# Altium PCB PCB2.PcbDoc
Units mm, origin at the board's own origin, x right, y up, seen from the top; angles counter-clockwise.
Board outline 103.6 x 70 mm, 2 copper layers (Top Layer, Bottom Layer); 23 components, 23 nets, 126 pads, 1482 vias.
Unrouted connection lines stored in the file: 7.
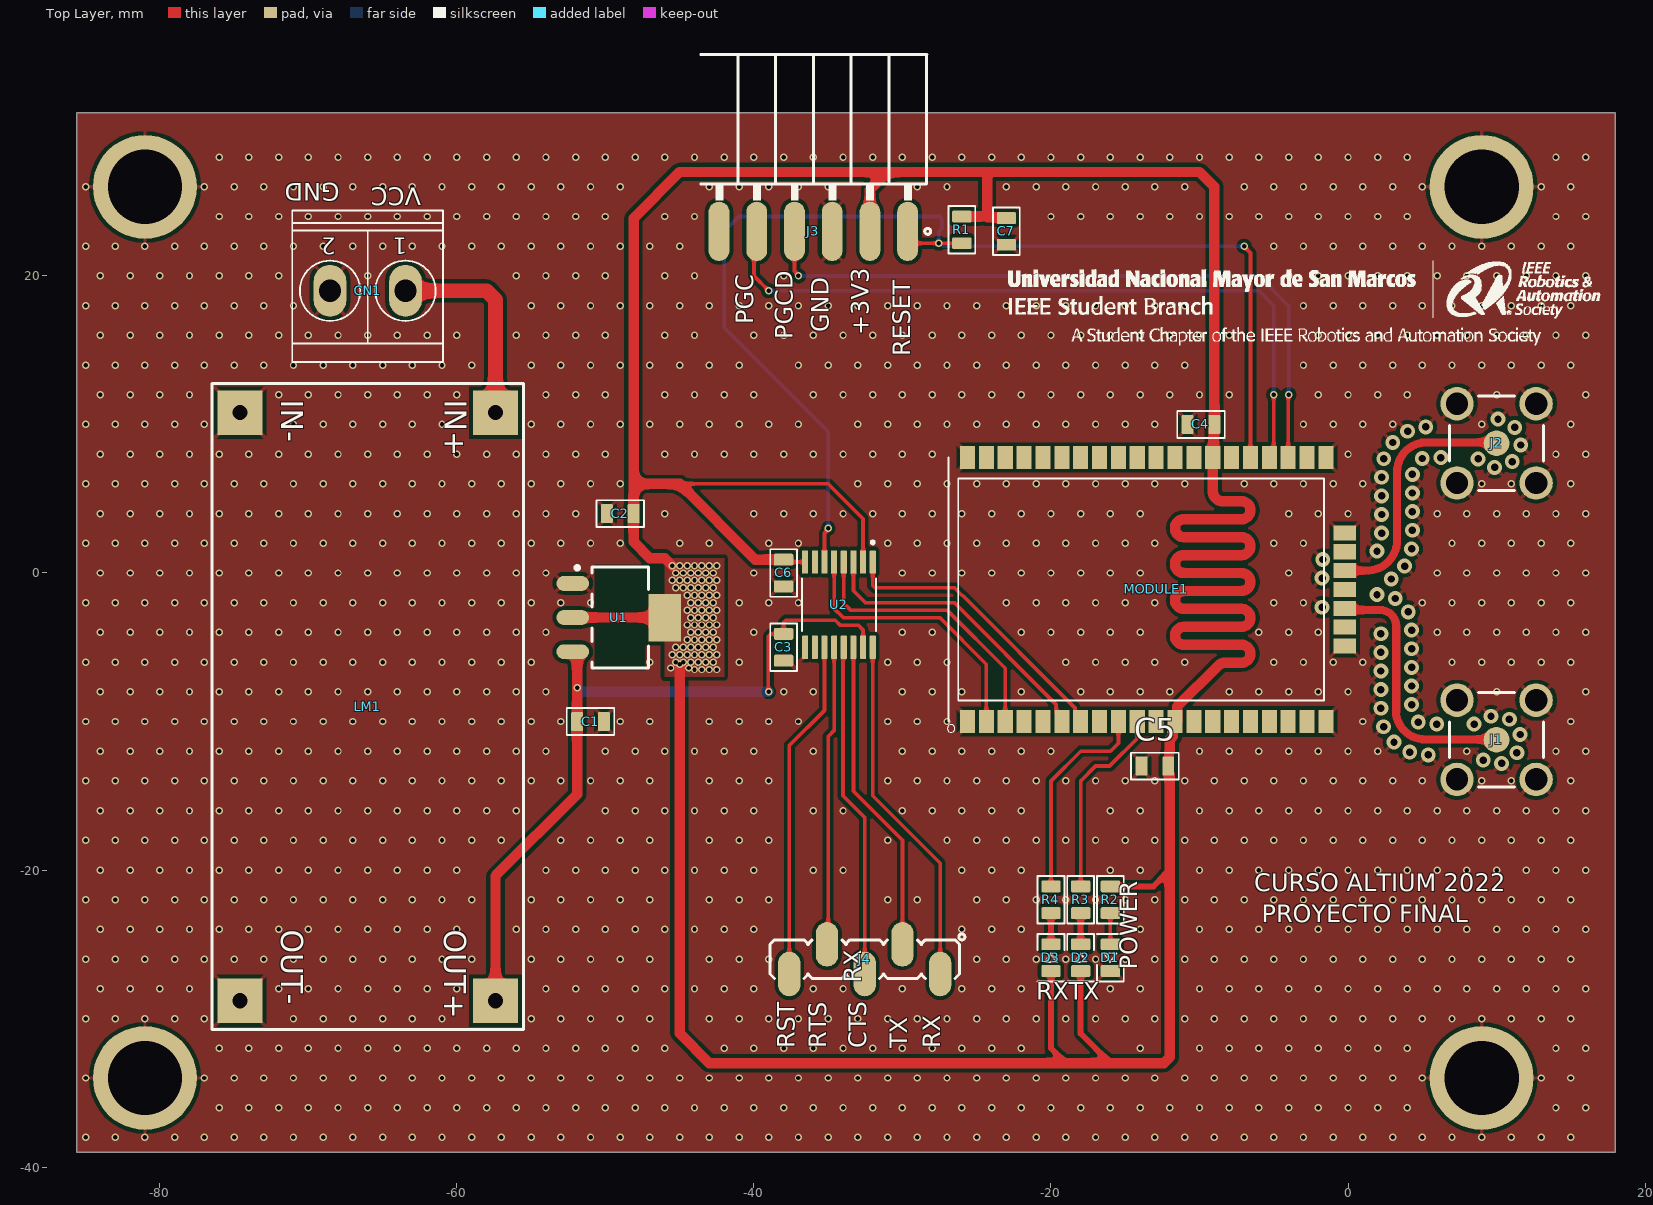
[diagram p0: Top Layer view]
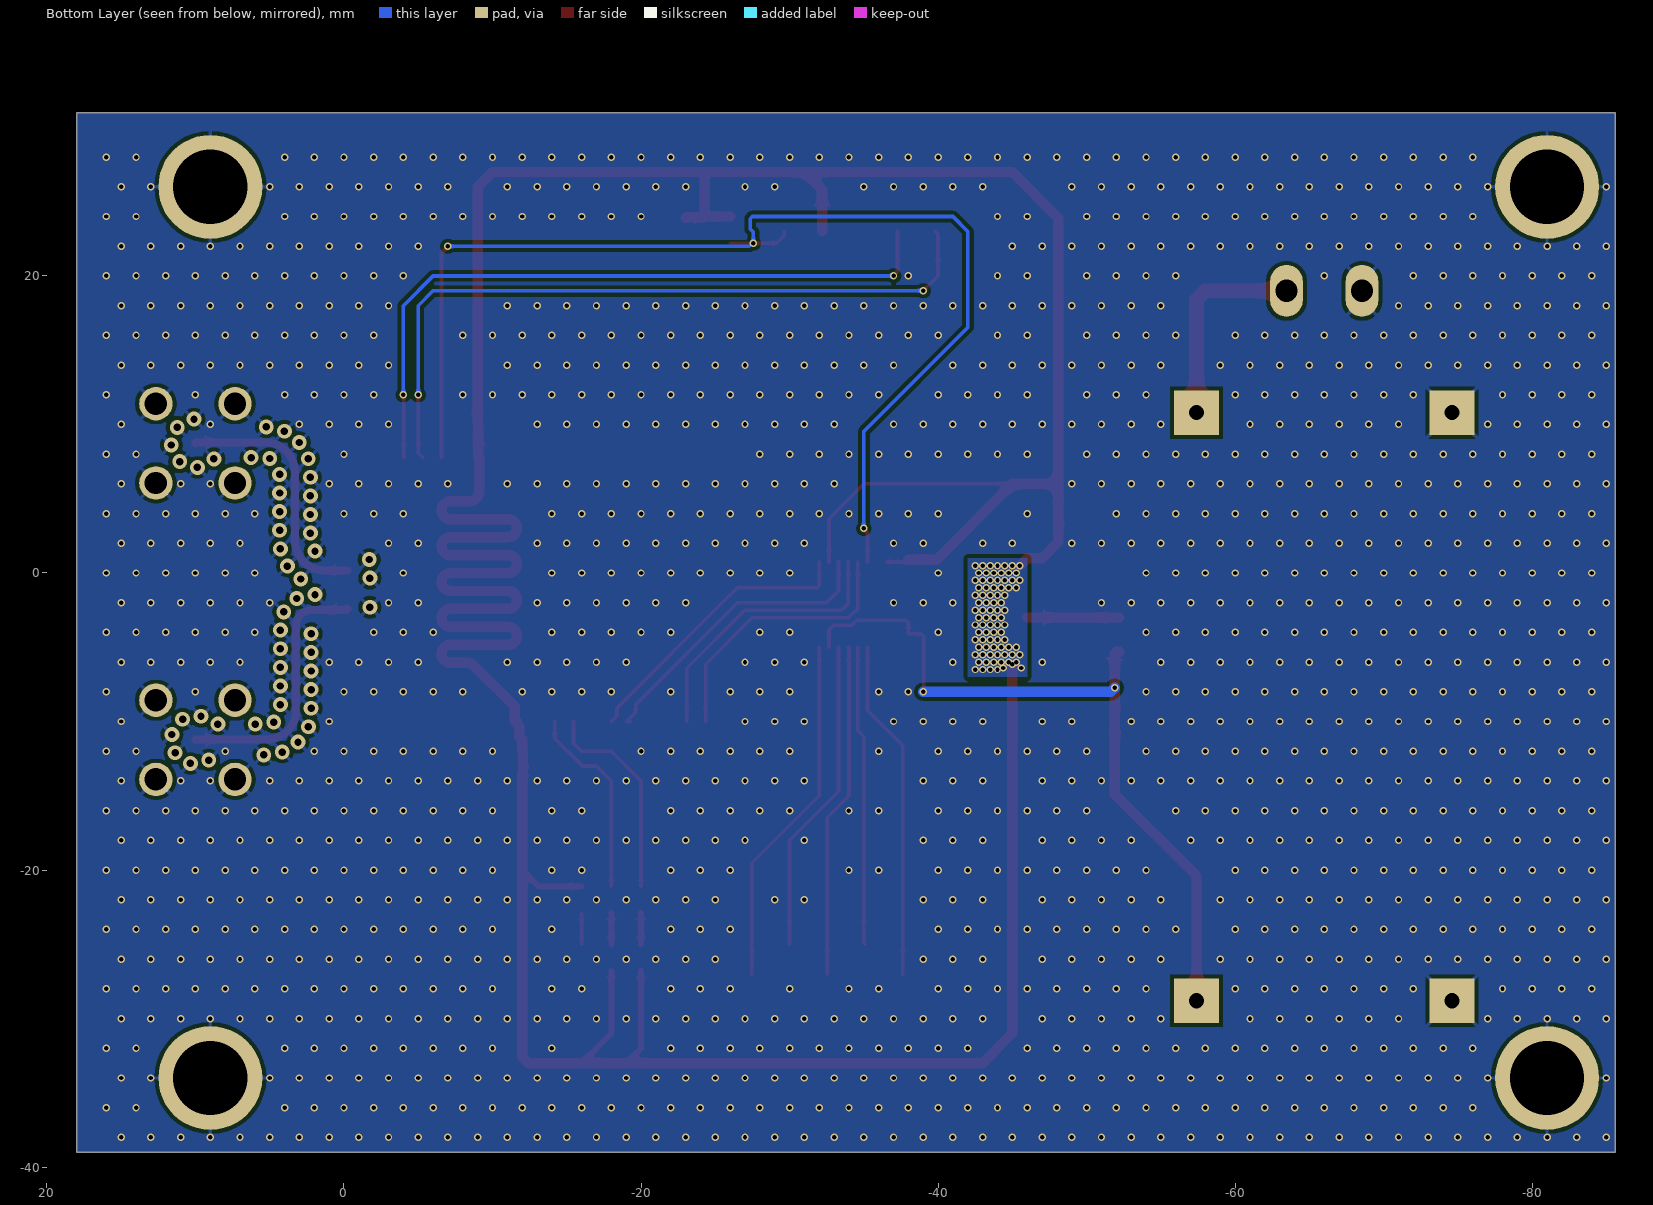
[diagram p1: Bottom Layer view, seen from below]

## Layer stack, top to bottom
Top Solder: solder mask 0.0102, Solder Resist, Dk 3.5
Top Layer: signal copper 0.03
Dielectric 1: dielectric 0.32, FR-4, Dk 4.8
Bottom Layer: signal copper 0.03
Bottom Solder: solder mask 0.0102, Solder Resist, Dk 3.5

## Board outline
-85.6,-39 18,-39 18,31 -85.6,31

## Design rules (kind name [scope] priority, off if disabled: settings)
Clearance [All] p1: gap=0.254 ignorepadtopadclearanceinfootprint=FALSE except(0: Arc-Hole Track-Hole SMDPad-Hole THPad-Hole Via-Hole Fill-Hole Poly-Hole Region-Hole Text-Hole; 0.127: SMDPad-SMDPad)
PlaneConnect [All] p1: planeconnectstyle=Relief reliefexpansion=0.508 reliefentries=4 reliefconductorwidth=0.254 reliefairgap=0.5
PolygonConnect [All] p1: connectstyle=Relief reliefconductorwidth=0.254 reliefentries=4 polygonreliefangle="45 Angle" airgapwidth=0.254
RoutingVias [All] p1: holewidth=0.3 width=0.5 viastyle="Through Hole" minholewidth=0.3 minwidth=0.5 maxholewidth=0.3 maxwidth=0.5
SolderMaskExpansion [All] p1: expansion=0.102 istentingtop=FALSE
Width RF [InNet('RFL')] p1: maxlimit=0.541 minlimit=0.541 preferedwidth=0.541 impedanceprofiledriven=TRUE impedanceprofileid={D8AAD3D6-4D7A-4675-8838-527CED662C4D} impedanceprofilevalue=50.000000 minimp=50.000000 maximp=50.000000 favimp=50.000000
Width Digital [All] p2 off: maxlimit=0.7 minlimit=0.25 preferedwidth=0.4
Width POWER [All] p3 off: maxlimit=1 minlimit=0.5 preferedwidth=0.7
29 further rules are at their usual default settings.

## Components (designator, comment, footprint, x,y, rotation, side; value= is the part's Value field where it differs from the comment)
C1 "100nF" C0805 -51,-10 r180 top
C2 "100nF" C0805 -49,4 r0 top
C3 "100nF" C0805 -38,-5 r90 top
C4 "100nF" C0805 -9.9,10 r0 top
C5 "100nF" C0805 -13,-13 r0 top
C6 "100nF" C0805 -38,0 r90 top
C7 "100nF" C0805 -23,23 r90 top
CN1 "TB508-02" TB508-02 -66,19 r180 top
D1 "LED" LED-0805 -16,-25.9 r90 top
D2 "LED" LED-0805 -18,-25.9 r270 top
D3 "LED" LED-0805 -20,-25.9 r270 top
J1 "ANTENA2" SAMTEC_SMA-J-P-X-ST-MT1 10,-11.23 r270 top
J2 "ANTENA2" SAMTEC_SMA-J-P-X-ST-MT1 10,8.73 r270 top
J3 "HDRF6" HDRRS_F_1X6 -36,23 r0 top
J4 "HDRM5" HDRS_M_1X5 -32.54,-26 r180 top
LM1 "LM2596?" "LM2596 - 3D" -66,-9 r270 top
MODULE1 "RN2483-I/RM095" MICROCHIP_RN2483-I/RM095 -13.555,-1.11 r90 top
R1 "10K" R0805 -26,23.1 r90 top value=1k0
R2 "220" R0805 -16,-22 r90 top value=1k0
R3 "220" R0805 -18,-22 r270 top value=1k0
R4 "220" R0805 -20,-22 r270 top value=1k0
U1 "LD1117" SOT223_4 -49,-3 r0 top
U2 "TXB0106PWR" SOP65P640X120-16N -34.275,-2.13 r270 top

## Footprints (in the part's own frame and the unit in brackets; to place one, negate y for a bottom-side part, rotate by r counter-clockwise, add the part's x,y. Pads: shape width x height; smd on the part's side, far side on the other; paste and mask are expansions set on the pad)
C0805 [mm] "Ceramic capacitor 0805"
  rrect25% 0.8x1.3 smd: 1(-0.9,0) 2(0.9,0)
  silkscreen extent -1.6,-0.9 1.6,0.9, body extent -1,-0.62 1,0.63, height 0.8
HDRRS_F_1X6 [mm] "Connector; Header; 6 Position"
  oval 1.4x4 smd mask+0.1: 1(6.35,0) 2(3.81,0) 3(1.27,0) 4(-1.27,0) 5(-3.81,0) 6(-6.35,0)
  silkscreen extent -7.58,-0.2 7.9,11.9, body extent -7.87,-1.7 7.87,11.8, height 2.58
HDRS_M_1X5 [mm] "HEADER, 2.54mm pitch, straight, SMD"
  oval 1.5x3 smd: 1(-5.08,1) 2(-2.54,-1) 3(0,1) 4(2.54,-1) 5(5.08,1)
  silkscreen extent -6.74,-1.7 6.38,1.3, body extent -6.35,-2.4 6.35,2.4, height 9.68
LED-0805 [mm] "SMT LED DIODE 0805"
  rrect25% 0.8x1.3 smd: 1(-0.9,0) 2(0.9,0)
  silkscreen extent -1.6,-0.9 1.6,0.9, body extent -1.01,-0.62 1.01,0.63, height 1.1
"LM2596 - 3D" [mm]
  rect 3x3 hole 1.02 unplated: 1(-19.8,8.6) 2(-19.8,-8.6) 3(19.8,8.6) 4(19.8,-8.6)
  silkscreen extent -21.75,-10.5 21.75,10.5, body extent -21.75,-10.5 21.75,10.5, height 13.05
MICROCHIP_RN2483-I/RM095 [mil]
  rect 60x40 smd: 1(-350,475) 2(-350,425) 3(-350,375) 4(-350,325) 5(-350,275) 6(-350,225) 7(-350,175) 8(-350,125) 9(-350,75) 10(-350,25) 11(-350,-25) 12(-350,-75) 13(-350,-125) 14(-350,-175) 15(-350,-225) 16(-350,-275) 17(-350,-325) 18(-350,-375) 19(-350,-425) 20(-350,-475) 28(350,-475) 29(350,-425) 30(350,-375) 31(350,-325) 32(350,-275) 33(350,-225) 34(350,-175) 35(350,-125) 36(350,-75) 37(350,-25) 38(350,25) 39(350,75) 40(350,125) 41(350,175) 42(350,225) 43(350,275) 44(350,325) 45(350,375) 46(350,425) 47(350,475)
  rect 40x60 smd: 21(-150,-525) 22(-100,-525) 23(-50,-525) 24(0,-525) 25(50,-525) 26(100,-525) 27(150,-525)
  silkscreen extent -378,-470 350,528, body extent -350,-525 350,525, height 131
R0805 [mm] "SMD RESISTOR 0805"
  rrect25% 0.8x1.3 smd: 1(-0.9,0) 2(0.9,0)
  silkscreen extent -1.6,-0.9 1.6,0.9, body extent -1,-0.62 1,0.63, height 0.45
SAMTEC_SMA-J-P-X-ST-MT1 [mm]
  round 1.73 smd: 1(0,0)
  round 2.25 hole 1.5: 2(2.665,-2.665) 3(2.665,2.665) 4(-2.665,2.665) 5(-2.665,-2.665)
  silkscreen extent -3.18,-3.18 3.18,3.18, body extent -3.5,-3.5 3.5,11.6, height 10.5
SOP65P640X120-16N [mm]
  rrect25% 1.57x0.41 smd: 1(-2.87,2.275) 2(-2.87,1.625) 3(-2.87,0.975) 4(-2.87,0.325) 5(-2.87,-0.325) 6(-2.87,-0.975) 7(-2.87,-1.625) 8(-2.87,-2.275) 9(2.87,-2.275) 10(2.87,-1.625) 11(2.87,-0.975) 12(2.87,-0.325) 13(2.87,0.325) 14(2.87,0.975) 15(2.87,1.625) 16(2.87,2.275)
  silkscreen extent -4.29,-2.5 1.77,2.5, body extent -3.07,-2.5 3.33,2.5, height 1.2
SOT223_4 [mm] "SOT223, 4-Leads, Body 6.5x3.5mm, Pitch 2.30mm"
  oval 2.2x1 smd: 1(-3.2,2.3) 2(-3.2,0) 3(-3.2,-2.3)
  rect 2.2x3.2 smd: 4(3,0)
  Top Layer pour cut-out: -1.7,3.556 1.7,3.556 1.7,-3.556 -1.7,-3.556
  silkscreen extent -3.02,-3.4 1.9,3.47, body extent -3.5,-3.25 3.5,3.25, height 1.7
TB508-02 [mm] "Vertical terminal block 0.2 inch (5.08mm) pitch"
  oval 2.2x3.5 hole 1.5: 1(-2.54,0) 2(2.54,0)
  silkscreen extent -5.08,-5.4 5.08,4.8, body extent -5.67,-4.75 5.06,4.75, height 15

## Part data
C1 C2 C3 C4 C5 C6 C7: library part Capacitor, "Capacitor without polarity", Voltage=25V
CN1: library part TB-02, "Terminal Block"
D1 D2 D3: "LED - Light-Emitting Diode"
J1 J2: library part SMA-J-P-X-ST-MT1, "SMA Connector Jack, Female Socket 50Ohm Surface Mount, Through Hole Solder", Package=None, Availability=Unavailable, MF=Samtec, MP=SMA-J-P-H-ST-MT1, PRICE=None, SnapEDA_Link=https://www.snapeda.com/parts/SMA-J-P-H-ST-MT1/Samtec%20Inc./view-part/134501/?ref=snap, Toby_UK-Purchase-URL=https://snapeda.com/shop?store=Toby+UK&id=134501
J3: library part "Header Female smd 1x6 horizontal", "CONN, HEADER, Female, pitch: 2.54mm, 6POS"
J4: library part "Header Male 1x5 smd", "CONN, HEADER, Male, pitch: 2.54mm, 5POS, SMD", ASSEMBLY=ASSEMBLY, DESC=DESCRIPTION, MANF=Sullins, MANF_P#=PBC36SAAN, PARAM=PARAM, PRICE=PRICE
LM1: "Módulo de DC-DC LM2596, regulador de convertidor Buck de reducción ajustable, VIN: 3,2 V-40V ; VOUT: 1,25 V-35V"
MODULE1: "Sub-GHz Dual Band Long Range Transceiver LoRa Module", Package=None, Availability=Unavailable, MF=Microchip, MP=RN2483-I/RM095, PRICE=None, SnapEDA_Link=https://www.snapeda.com/parts/RN2483-I/RM095/Microchip/view-part/378307/?ref=snap
R1 R2 R3 R4: library part Resistor, "Single resistor", Power=0.125W, Unit price=0.1
U1: library part VREG_1117_SOT223, "REG, Linear, LDO1V, 0.8A, SOT-223", MANF="TI, ON, ST", MANF_P#="LD1117, LM1117, AMS1117, TLV1117, REG1117, NCP1117, LT1117, SPX1117", PARAM="LDO1V, 0.8A", PARAM2=1.2/1.5/1.8/2.5/2.85/3.3/5V
U2: "6-Bit Bidirectional Voltage-Level Translator with Auto Direction Sensing and +/-15-kV ESD Protect 16-TSSOP -40 to 85", Package="TSSOP-16 Texas Instruments", Availability=Warning, DigiKey-Purchase-URL=https://snapeda.com/shop?store=DigiKey&id=134340, MF="Texas Instruments", Mouser-Purchase-URL=https://snapeda.com/shop?store=Mouser&id=134340, MP=TXB0106PWR, PRICE=None, SnapEDA_Link=https://www.snapeda.com/parts/TXB0106PWR/Texas%20Instruments/view-part/134340/?ref=snap, Texas_Instruments-Purchase-URL=https://snapeda.com/shop?store=Texas+Instruments&id=134340

## Free pads (board coordinates)
  round 7 hole 5: 3(-81,-34) 3(-81,26) 3(9,-34) 3(9,26)

## Via types
v1: diameter 0.5, hole 0.3, Top Layer to Bottom Layer, tented both sides, 1420 vias
v2: diameter 1, hole 0.5, Top Layer to Bottom Layer, tented both sides, 53 vias
v3: diameter 0.5, hole 0.3, Top Layer to Bottom Layer, 9 vias

## Nets (pads, with @x,y where several pads share a name; then routed paths per layer and width w, separated by ;. In a path a pad name is that pad's centre, name@x,y a point inside that pad or via, vN(x,y) a via of type N, cw(c..) or ccw(c..) an arc to the next point about the centre after c; other vN are vias at no path point)
+3V3: C2.2 C4.2 C5.2 C6.2 C7.2 D2.2 D3.2 J3.2 MODULE1.12 MODULE1.34 R1.2 R2.2 U1.2 U1.4 U2.2 U2.8 | length 290
  Top Layer w0.25: -45,6 -35,6 -32.65,3.65 U2.2 ; C6.2@-37.84,0.74 U2.8
  Top Layer w0.4: C6.2 C6.2@-37.84,0.74 ; D3.2 -20,-32 -19,-33 ; D2.2 -18,-31 -16,-33 ; R2.2 -13.1,-21.1 -12,-20
  Top Layer w0.7: U1.2 U1.4 ; v1(-45.5,0.5) -46,1 -47,1 -48.1,2.1 C2.2 -48.1,6 ; v1(-45,-6.146) -45,-31 -43,-33 -19,-33 -16,-33 -12.41,-33 -12,-32.59 -12,-20 -12,-13.596 -12.05,-13.546 -12.05,-13.05 C5.2 -12.05,-12.95 -12.05,-12.05 -12,-12 -12,-11.204 -11.808,-11.012 -11.808,-10.316 MODULE1.12@-11.492,-10 ; C6.2 -39.9,0.9 -45,6 -48.1,6 ; J3.2 -32.19,25.81 -31,27 ; R1.2 -24.3,24 ; C7.2 -23.05,23.95 -24.25,23.95 -24.3,24 ; MODULE1.12 -11.492,-9.842 -11.492,-9 -11.492,-8.988 -8.751,-6.247 cw(c-8.256,-6.742) -8.256,-6.042 -7.174,-6.042 ccw(c-7.174,-5.438) -6.57,-5.438 ccw(c-7.174,-5.438) -7.174,-4.834 -11.046,-4.834 cw(c-11.046,-4.23) -11.65,-4.23 cw(c-11.046,-4.23) -11.046,-3.626 -7.174,-3.626 ccw(c-7.174,-3.022) -6.57,-3.022 ccw(c-7.174,-3.022) -7.174,-2.418 -11.046,-2.418 cw(c-11.046,-1.814) -11.65,-1.814 cw(c-11.046,-1.814) -11.046,-1.21 -7.174,-1.21 ccw(c-7.174,-0.606) -6.57,-0.606 ccw(c-7.174,-0.606) -7.174,-0.002 -11.046,-0.002 cw(c-11.046,0.602) -11.65,0.602 cw(c-11.046,0.602) -11.046,1.206 -7.174,1.206 ccw(c-7.174,1.81) -6.57,1.81 ccw(c-7.174,1.81) -7.174,2.414 -11.046,2.414 cw(c-11.046,3.018) -11.65,3.018 cw(c-11.046,3.018) -11.046,3.622 -7.174,3.622 ccw(c-7.174,4.226) -6.57,4.226 ccw(c-7.174,4.226) -7.174,4.83 -8.41,4.83 cw(c-8.41,5.53) -9.11,5.53 -9.11,7 MODULE1.34 -9.05,7.84 -9.05,9.95 C4.2 -9,26 -10,27 -24,27 ; -48.1,6 -48.1,23.9 -45,27 -31,27 ; -31,27 -25,27 -24.3,27 -24,27 ; -24.3,24 -24.3,26.7 -24,27
  other v1: -44,-6.5 -43.5,-6.5 -43,-6.5 -42.5,-6.5 -45.604,-6.396 -44.396,-6.396 -45.25,-6 -44.75,-6 -44.25,-6 -43.75,-6 -43.25,-6 -42.75,-6 -45.5,-5.5 -45,-5.5 -44.5,-5.5 -44,-5.5 -43.5,-5.5 -43,-5.5 -42.5,-5.5 -45.25,-5 -44.75,-5 -44.25,-5 -43.75,-5 -43.25,-5 -42.75,-5 -44.5,-4.5 -44,-4.5 -43.5,-4.5 -43,-4.5 -42.5,-4.5 -44.25,-4 -43.75,-4 -43.25,-4 -42.75,-4 -44.5,-3.5 -44,-3.5 -43.5,-3.5 -43,-3.5 -42.5,-3.5 -44.25,-3 -43.75,-3 -43.25,-3 -42.75,-3 -44.5,-2.5 -44,-2.5 -43.5,-2.5 -43,-2.5 -42.5,-2.5 -44.25,-2 -43.75,-2 -43.25,-2 -42.75,-2 -44.5,-1.5 -44,-1.5 -43.5,-1.5 -43,-1.5 -42.5,-1.5 -45.25,-1 -44.75,-1 -44.25,-1 -43.75,-1 -43.25,-1 -42.75,-1 -45.5,-0.5 -45,-0.5 -44.5,-0.5 -44,-0.5 -43.5,-0.5 -43,-0.5 -42.5,-0.5 -45.25,0 -44.75,0 -44.25,0 -43.75,0 -43.25,0 -42.75,0 -45,0.5 -44.5,0.5 -44,0.5 -43.5,0.5 -43,0.5 -42.5,0.5
+5: C1.2 C3.2 LM1.3 U1.3 U2.15 | length 51.5
  Top Layer w0.25: v3(-39,-8) -39.029,-7.971 -39.029,-4.275 -38.854,-4.1 C3.2 -38,-3.325 -37.854,-3.179 -34.53,-3.179 -34.199,-3.509 -32.981,-3.509 -32.65,-3.84 U2.15
  Top Layer w0.7: LM1.3 -57.4,-20.4 -51.9,-14.9 C1.2 v3(-51.9,-7.719) -51.9,-5.439 -52.039,-5.3 U1.3
  Bottom Layer w0.7: v3(-51.9,-7.719) -51.619,-8 v3(-39,-8)
CTS_3V3: MODULE1.3 U2.4 | length 19.1
  Top Layer w0.25: U2.4 -33.95,-2.05 -33.5,-2.5 -27,-2.5 -23.08,-6.42 MODULE1.3
CTS_5V: J4.3 U2.13 | length 22.6
  Top Layer w0.25: U2.13 -34,-5.05 -34,-15 -32.54,-16.46 J4.3
GND: C1.1 C2.1 C3.1 C4.1 C5.1 C6.1 C7.1 CN1.2 D1.1 J1.2 J1.3 J1.4 J1.5 J2.2 J2.3 J2.4 J2.5 J3.3 LM1.2 LM1.4 MODULE1.1 MODULE1.8 MODULE1.11 MODULE1.20 MODULE1.21 MODULE1.22 MODULE1.24 MODULE1.26 MODULE1.27 MODULE1.28 MODULE1.33 MODULE1.41 MODULE1.47 pad.3 U1.1 U2.9
  other v1: -85,-38 -83,-38 -81,-38 -79,-38 -77,-38 -75,-38 -73,-38 -71,-38 -69,-38 -67,-38 -65,-38 -63,-38 -61,-38 -59,-38 -57,-38 -55,-38 -53,-38 -51,-38 -49,-38 -47,-38 -45,-38 -43,-38 -41,-38 -39,-38 -37,-38 -35,-38 -33,-38 -31,-38 -29,-38 -27,-38 -25,-38 -23,-38 -21,-38 -19,-38 -17,-38 -15,-38 -13,-38 -11,-38 -9,-38 -7,-38 -5,-38 -3,-38 -1,-38 1,-38 3,-38 5,-38 7,-38 9,-38 11,-38 13,-38 15,-38 -76,-36 -74,-36 -72,-36 -70,-36 -68,-36 -66,-36 -64,-36 -62,-36 -60,-36 -58,-36 -56,-36 -54,-36 -52,-36 -50,-36 -48,-36 -46,-36 -44,-36 -42,-36 -40,-36 -38,-36 -36,-36 -34,-36 -32,-36 -30,-36 -28,-36 -26,-36 -24,-36 -22,-36 -20,-36 -18,-36 -16,-36 -14,-36 -12,-36 -10,-36 -8,-36 -6,-36 -4,-36 -2,-36 0,-36 2,-36 4,-36 14,-36 16,-36 -85,-34 -77,-34 -75,-34 -73,-34 -71,-34 -69,-34 -67,-34 -65,-34 -63,-34 -61,-34 -59,-34 -57,-34 -55,-34 -53,-34 -51,-34 -49,-34 -47,-34 -45,-34 -43,-34 -41,-34 -39,-34 -37,-34 -35,-34 -33,-34 -31,-34 -29,-34 -27,-34 -25,-34 -23,-34 -21,-34 -19,-34 -17,-34 -15,-34 -13,-34 -11,-34 -9,-34 -7,-34 -5,-34 -3,-34 -1,-34 1,-34 3,-34 5,-34 13,-34 15,-34 -76,-32 -74,-32 -72,-32 -70,-32 -68,-32 -66,-32 -64,-32 -62,-32 -60,-32 -58,-32 -56,-32 -54,-32 -52,-32 -50,-32 -48,-32 -46,-32 -42,-32 -40,-32 -38,-32 -36,-32 -34,-32 -32,-32 -30,-32 -28,-32 -26,-32 -24,-32 -22,-32 -14,-32 -10,-32 -8,-32 -6,-32 -4,-32 -2,-32 0,-32 2,-32 4,-32 14,-32 16,-32 -85,-30 -83,-30 -81,-30 -79,-30 -77,-30 -71,-30 -69,-30 -67,-30 -65,-30 -63,-30 -61,-30 -55,-30 -53,-30 -51,-30 -49,-30 -47,-30 -43,-30 -41,-30 -39,-30 -37,-30 -35,-30 -33,-30 -31,-30 -29,-30 -27,-30 -25,-30 -23,-30 -21,-30 -19,-30 -17,-30 -15,-30 -13,-30 -11,-30 -9,-30 -7,-30 -5,-30 -3,-30 -1,-30 1,-30 3,-30 5,-30 7,-30 9,-30 11,-30 13,-30 15,-30 -84,-28 -82,-28 -80,-28 -78,-28 -72,-28 -70,-28 -68,-28 -66,-28 -64,-28 -62,-28 -60,-28 -54,-28 -52,-28 -50,-28 -48,-28 -46,-28 -44,-28 -42,-28 -40,-28 -36,-28 -34,-28 -30,-28 -26,-28 -24,-28 -22,-28 -16,-28 -14,-28 -10,-28 -8,-28 -6,-28 -4,-28 -2,-28 0,-28 2,-28 4,-28 6,-28 8,-28 10,-28 12,-28 14,-28 16,-28 -85,-26 -83,-26 -81,-26 -79,-26 -77,-26 -75,-26 -73,-26 -71,-26 -69,-26 -67,-26 -65,-26 -63,-26 -61,-26 -59,-26 -55,-26 -53,-26 -51,-26 -49,-26 -47,-26 -43,-26 -41,-26 -39,-26 -25,-26 -23,-26 -21,-26 -19,-26 -17,-26 -15,-26 -13,-26 -11,-26 -9,-26 -7,-26 -5,-26 -3,-26 -1,-26 1,-26 3,-26 5,-26 7,-26 9,-26 11,-26 13,-26 15,-26 -84,-24 -82,-24 -80,-24 -78,-24 -76,-24 -74,-24 -72,-24 -70,-24 -68,-24 -66,-24 -64,-24 -62,-24 -60,-24 -56,-24 -54,-24 -52,-24 -50,-24 -48,-24 -46,-24 -44,-24 -42,-24 -40,-24 -26,-24 -24,-24 -22,-24 -14,-24 -10,-24 -8,-24 -6,-24 -4,-24 -2,-24 0,-24 2,-24 4,-24 6,-24 8,-24 10,-24 12,-24 14,-24 16,-24 -85,-22 -83,-22 -81,-22 -79,-22 -77,-22 -75,-22 -73,-22 -71,-22 -69,-22 -67,-22 -65,-22 -63,-22 -61,-22 -59,-22 -55,-22 -53,-22 -51,-22 -49,-22 -47,-22 -43,-22 -41,-22 -39,-22 -31,-22 -29,-22 -25,-22 -23,-22 -21,-22 -19,-22 -17,-22 -15,-22 -13,-22 -11,-22 -9,-22 -7,-22 -5,-22 -3,-22 -1,-22 1,-22 3,-22 5,-22 7,-22 9,-22 11,-22 13,-22 15,-22 -84,-20 -82,-20 -80,-20 -78,-20 -76,-20 -74,-20 -72,-20 -70,-20 -68,-20 -66,-20 -64,-20 -62,-20 -60,-20 -54,-20 -52,-20 -50,-20 -48,-20 -46,-20 -44,-20 -42,-20 -40,-20 -36,-20 -34,-20 -26,-20 -24,-20 -22,-20 -16,-20 -14,-20 -10,-20 -8,-20 -6,-20 -4,-20 -2,-20 0,-20 2,-20 4,-20 6,-20 8,-20 10,-20 12,-20 14,-20 16,-20 -85,-18 -83,-18 -81,-18 -79,-18 -77,-18 -75,-18 -73,-18 -71,-18 -69,-18 -67,-18 -65,-18 -63,-18 -61,-18 -59,-18 -57,-18 -53,-18 -51,-18 -49,-18 -47,-18 -43,-18 -41,-18 -39,-18 -31,-18 -27,-18 -25,-18 -23,-18 -21,-18 -19,-18 -17,-18 -15,-18 -13,-18 -11,-18 -9,-18 -7,-18 -5,-18 -3,-18 -1,-18 1,-18 3,-18 5,-18 7,-18 9,-18 11,-18 13,-18 15,-18 -84,-16 -82,-16 -80,-16 -78,-16 -76,-16 -74,-16 -72,-16 -70,-16 -68,-16 -66,-16 -64,-16 -62,-16 -60,-16 -58,-16 -56,-16 -50,-16 -48,-16 -46,-16 -44,-16 -42,-16 -40,-16 -36,-16 -34,-16 -30,-16 -28,-16 -26,-16 -24,-16 -22,-16 -16,-16 -14,-16 -10,-16 -8,-16 -6,-16 -4,-16 -2,-16 0,-16 2,-16 4,-16 6,-16 8,-16 10,-16 12,-16 14,-16 16,-16 -85,-14 -83,-14 -81,-14 -79,-14 -77,-14 -75,-14 -73,-14 -71,-14 -69,-14 -67,-14 -65,-14 -63,-14 -61,-14 -59,-14 -57,-14 -55,-14 -53,-14 -51,-14 -49,-14 -47,-14 -43,-14 -41,-14 -39,-14 -31,-14 -29,-14 -27,-14 -25,-14 -23,-14 -21,-14 -19,-14 -17,-14 -15,-14 -13,-14 -11,-14 -9,-14 -7,-14 -5,-14 -3,-14 -1,-14 1,-14 3,-14 5,-14 9,-14 11,-14 15,-14 -84,-12 -82,-12 -80,-12 -78,-12 -76,-12 -74,-12 -72,-12 -70,-12 -68,-12 -66,-12 -64,-12 -62,-12 -60,-12 -58,-12 -56,-12 -54,-12 -50,-12 -48,-12 -46,-12 -44,-12 -42,-12 -40,-12 -36,-12 -30,-12 -28,-12 -26,-12 -24,-12 -22,-12 -20,-12 -10,-12 -8,-12 -6,-12 -4,-12 -2,-12 0,-12 2,-12 8,-12 14,-12 16,-12 -85,-10 -83,-10 -81,-10 -79,-10 -77,-10 -75,-10 -73,-10 -71,-10 -69,-10 -67,-10 -65,-10 -63,-10 -61,-10 -59,-10 -57,-10 -55,-10 -53,-10 -49,-10 -47,-10 -43,-10 -41,-10 -39,-10 -37,-10 -31,-10 -29,-10 -27,-10 1,-10 15,-10 -84,-8 -82,-8 -80,-8 -78,-8 -76,-8 -74,-8 -72,-8 -70,-8 -68,-8 -66,-8 -64,-8 -62,-8 -60,-8 -58,-8 -56,-8 -54,-8 -38,-8 -36,-8 -30,-8 -28,-8 -26,-8 -22,-8 -18,-8 -16,-8 -14,-8 -12,-8 -8,-8 -6,-8 -4,-8 -2,-8 0,-8 10,-8 16,-8 -85,-6 -83,-6 -81,-6 -79,-6 -77,-6 -75,-6 -73,-6 -71,-6 -69,-6 -67,-6 -65,-6 -63,-6 -61,-6 -59,-6 -57,-6 -55,-6 -47,-6 -41,-6 -31,-6 -29,-6 -27,-6 -19,-6 -17,-6 -15,-6 -13,-6 -11,-6 -5,-6 -3,-6 -1,-6 1,-6 7,-6 9,-6 11,-6 13,-6 15,-6 -84,-4 -82,-4 -80,-4 -78,-4 -76,-4 -74,-4 -72,-4 -70,-4 -68,-4 -66,-4 -64,-4 -62,-4 -60,-4 -58,-4 -56,-4 -54,-4 -40,-4 -30,-4 -28,-4 -22,-4 -20,-4 -18,-4 -16,-4 -14,-4 -6,-4 -4,-4 -2,-4 6,-4 8,-4 10,-4 12,-4 14,-4 16,-4 -85,-2 -83,-2 -81,-2 -79,-2 -77,-2 -75,-2 -73,-2 -71,-2 -69,-2 -67,-2 -65,-2 -63,-2 -61,-2 -59,-2 -57,-2 -55,-2 -53,-2 -51,-2 -41,-2 -39,-2 -37,-2 -23,-2 -21,-2 -19,-2 -17,-2 -15,-2 -13,-2 -5,-2 -3,-2 5,-2 7,-2 9,-2 11,-2 13,-2 15,-2 -84,0 -82,0 -80,0 -78,0 -76,0 -74,0 -72,0 -70,0 -68,0 -66,0 -64,0 -62,0 -60,0 -58,0 -56,0 -54,0 -40,0 -30,0 -28,0 -26,0 -24,0 -22,0 -20,0 -18,0 -16,0 -14,0 -4,0 6,0 8,0 10,0 12,0 14,0 16,0 -85,2 -83,2 -81,2 -79,2 -77,2 -75,2 -73,2 -71,2 -69,2 -67,2 -65,2 -63,2 -61,2 -59,2 -57,2 -55,2 -53,2 -51,2 -49,2 -45,2 -43,2 -39,2 -37,2 -31,2 -29,2 -27,2 -25,2 -23,2 -21,2 -19,2 -17,2 -15,2 -13,2 -5,2 -3,2 7,2 9,2 11,2 13,2 15,2 -84,4 -82,4 -80,4 -78,4 -76,4 -74,4 -72,4 -70,4 -68,4 -66,4 -64,4 -62,4 -60,4 -58,4 -56,4 -54,4 -52,4 -46,4 -40,4 -38,4 -36,4 -34,4 -32,4 -30,4 -28,4 -26,4 -24,4 -22,4 -20,4 -18,4 -16,4 -14,4 -4,4 -2,4 0,4 6,4 8,4 10,4 12,4 14,4 16,4 -85,6 -83,6 -81,6 -79,6 -77,6 -75,6 -73,6 -71,6 -69,6 -67,6 -65,6 -63,6 -61,6 -59,6 -57,6 -55,6 -53,6 -51,6 -49,6 -33,6 -31,6 -29,6 -27,6 -25,6 -23,6 -21,6 -19,6 -17,6 -15,6 -13,6 -11,6 -7,6 -5,6 -3,6 -1,6 1,6 9,6 11,6 15,6 -84,8 -82,8 -80,8 -78,8 -76,8 -74,8 -72,8 -70,8 -68,8 -66,8 -64,8 -62,8 -60,8 -58,8 -56,8 -54,8 -52,8 -50,8 -46,8 -44,8 -42,8 -40,8 -38,8 -36,8 -34,8 -32,8 -30,8 -28,8 0,8 14,8 16,8 -85,10 -83,10 -81,10 -79,10 -77,10 -71,10 -69,10 -67,10 -65,10 -63,10 -61,10 -55,10 -53,10 -51,10 -49,10 -47,10 -45,10 -43,10 -41,10 -39,10 -37,10 -33,10 -31,10 -29,10 -27,10 -25,10 -23,10 -21,10 -19,10 -17,10 -15,10 -13,10 -3,10 -1,10 1,10 3,10 9,10 15,10 -84,12 -82,12 -80,12 -78,12 -72,12 -70,12 -68,12 -66,12 -64,12 -62,12 -60,12 -54,12 -52,12 -50,12 -46,12 -44,12 -42,12 -40,12 -36,12 -34,12 -32,12 -30,12 -28,12 -26,12 -24,12 -22,12 -20,12 -18,12 -16,12 -14,12 -12,12 -10,12 -8,12 -2,12 0,12 2,12 4,12 10,12 16,12 -85,14 -83,14 -81,14 -79,14 -77,14 -75,14 -73,14 -71,14 -69,14 -67,14 -65,14 -63,14 -61,14 -59,14 -55,14 -53,14 -51,14 -49,14 -47,14 -45,14 -43,14 -41,14 -37,14 -35,14 -33,14 -31,14 -29,14 -27,14 -25,14 -23,14 -21,14 -19,14 -17,14 -15,14 -13,14 -11,14 -3,14 -1,14 1,14 3,14 5,14 7,14 9,14 11,14 13,14 15,14 -84,16 -82,16 -80,16 -78,16 -76,16 -74,16 -72,16 -70,16 -68,16 -66,16 -64,16 -62,16 -60,16 -56,16 -54,16 -52,16 -50,16 -46,16 -44,16 -40,16 -38,16 -36,16 -34,16 -32,16 -30,16 -28,16 -26,16 -24,16 -22,16 -20,16 -18,16 -16,16 -14,16 -12,16 -10,16 -8,16 -2,16 0,16 2,16 4,16 6,16 8,16 10,16 12,16 14,16 16,16 -85,18 -83,18 -81,18 -79,18 -77,18 -75,18 -73,18 -71,18 -55,18 -53,18 -51,18 -49,18 -47,18 -45,18 -43,18 -41,18 -39,18 -37,18 -35,18 -33,18 -31,18 -29,18 -27,18 -25,18 -23,18 -21,18 -19,18 -17,18 -15,18 -13,18 -11,18 -3,18 -1,18 1,18 3,18 5,18 7,18 9,18 11,18 13,18 15,18 -84,20 -82,20 -80,20 -78,20 -76,20 -74,20 -72,20 -66,20 -56,20 -54,20 -52,20 -50,20 -46,20 -44,20 -38,20 -4,20 -2,20 0,20 2,20 4,20 6,20 8,20 10,20 12,20 14,20 16,20 -85,22 -83,22 -81,22 -79,22 -77,22 -75,22 -73,22 -71,22 -69,22 -67,22 -65,22 -63,22 -61,22 -59,22 -57,22 -55,22 -53,22 -51,22 -49,22 -47,22 -45,22 -5,22 -3,22 -1,22 1,22 3,22 5,22 7,22 9,22 11,22 13,22 15,22 -76,24 -74,24 -72,24 -70,24 -68,24 -66,24 -64,24 -62,24 -60,24 -58,24 -56,24 -54,24 -52,24 -50,24 -46,24 -44,24 -20,24 -18,24 -16,24 -14,24 -12,24 -10,24 -8,24 -6,24 -4,24 -2,24 0,24 2,24 4,24 14,24 16,24 -85,26 -77,26 -75,26 -73,26 -71,26 -69,26 -67,26 -65,26 -63,26 -61,26 -59,26 -57,26 -55,26 -53,26 -51,26 -49,26 -43,26 -41,26 -39,26 -37,26 -35,26 -29,26 -27,26 -23,26 -21,26 -19,26 -17,26 -15,26 -13,26 -11,26 -7,26 -5,26 -3,26 -1,26 1,26 3,26 5,26 13,26 15,26 -76,28 -74,28 -72,28 -70,28 -68,28 -66,28 -64,28 -62,28 -60,28 -58,28 -56,28 -54,28 -52,28 -50,28 -48,28 -46,28 -44,28 -42,28 -40,28 -38,28 -36,28 -34,28 -32,28 -30,28 -28,28 -26,28 -24,28 -22,28 -20,28 -18,28 -16,28 -14,28 -12,28 -10,28 -8,28 -6,28 -4,28 -2,28 0,28 2,28 4,28 14,28 16,28
  other v2: 10.342,-12.822 9.109,-12.594 5.397,-12.244 11.372,-12.107 4.157,-12.056 3.094,-11.39 11.588,-10.872 2.394,-10.35 5.977,-10.171 8.485,-10.171 4.73,-10.037 10.862,-9.849 9.624,-9.647 2.211,-9.109 4.284,-8.865 2.211,-7.855 4.284,-7.611 2.211,-6.601 4.284,-6.357 2.211,-5.347 4.284,-5.103 2.211,-4.093 4.284,-3.849 4.052,-2.616 -1.743,-2.307 3.178,-1.717 1.952,-1.456 2.908,-0.407 -1.743,-0.345 3.808,0.466 -1.699,0.908 1.949,1.469 4.285,1.626 2.264,2.682 4.336,2.879 2.264,3.936 4.336,4.133 2.264,5.19 4.336,5.387 2.264,6.444 4.336,6.641 9.868,7.108 11.061,7.495 2.403,7.691 8.754,7.684 4.996,7.707 6.249,7.764 11.624,8.615 3.01,8.788 4.009,9.546 11.225,9.804 5.228,9.838 10.099,10.356
led_rx: MODULE1.9 R4.1 | length 14.2
  Top Layer w0.25: R4.1 -20,-14 -18,-12 -16,-12 -15.46,-11.46 MODULE1.9
led_tx: MODULE1.10 R3.1 | length 13.2
  Top Layer w0.25: R3.1 -18,-14 -17,-13 -16.053,-13 -14.19,-11.137 MODULE1.10
NetD1_2: D1.2 R2.1 | length 2.1
  Top Layer w0.25: D1.2 R2.1
NetD2_1: D2.1 R3.2 | length 2.1
  Top Layer w0.4: D2.1 R3.2
NetD3_1: D3.1 R4.2 | length 2.1
  Top Layer w0.4: D3.1 R4.2
PGC: J3.5 MODULE1.31 | length 49.3
  Top Layer w0.25: J3.5 -40,22.81 -40,20 v3(-39,19) ; MODULE1.31 -5,8.08 v3(-5,12)
  Bottom Layer w0.25: v3(-39,19) -6,19 -5,18 v3(-5,12)
PGD: J3.4 MODULE1.30 | length 47.2
  Top Layer w0.25: J3.4 -37.27,20.338 -37,20.068 v3(-37,20) ; MODULE1.30 -4.03,11.97 v3(-4,12)
  Bottom Layer w0.25: v3(-37,20) -6,20 -4,18 v3(-4,12)
Reset: J3.1 MODULE1.32 R1.1 U2.6 | length 81.3
  Top Layer w0.25: U2.6 -35.25,2.682 -35,2.932 v3(-35,3) ; J3.1 -29.65,22.731 -29.119,22.2 v3(-27.559,22.2) R1.1 ; v3(-7,22) -7,21.976 -6.57,21.546 MODULE1.32
  Bottom Layer w0.25: v3(-35,3) -35,9.534 -42,16.534 -42,23 -41,24 -27.5,24 -27.354,23.854 -27.354,23.164 -27.559,22.958 v3(-27.559,22.2) -27.492,22.2 -27.292,22 v3(-7,22)
RFH: J1.1 MODULE1.23 | length 17.7
  Top Layer w0.541: MODULE1.23 ccw(c-0.107,-2.38) -0.107,-2.493 2.156,-2.493 cw(c2.156,-3.584) 3.247,-3.584 3.247,-9.341 ccw(c3.772,-9.471) 3.24,-9.567 ccw(c5.207,-9.207) 5.207,-11.207 9.945,-11.207 cw(c9.945,-11.285) J1.1
RFL: J2.1 MODULE1.25 | length 17.2
  Top Layer w0.541: MODULE1.25 1.178,0.16 cw(c1.178,-0.381) 1.196,0.16 ccw(c1.271,2.188) 3.3,2.188 3.3,6.8 cw(c5.3,6.8) 4.776,8.73 cw(c5.3,6.8) 5.3,8.8 10,8.8 J2.1
RST_5V: J4.5 U2.11 | length 23
  Top Layer w0.25: J4.5 -37.62,-11.62 -35.25,-9.25 U2.11
RTS_3V3: MODULE1.2 U2.5 | length 18.8
  Top Layer w0.25: U2.5 -34.6,-2.396 -33.991,-3.005 -27.495,-3.005 -24.35,-6.15 MODULE1.2
RTS_5V: J4.4 U2.12 | length 20.2
  Top Layer w0.25: J4.4 -35,-24.92 -35,-11 -34.6,-10.6 U2.12
RX_3V3: MODULE1.7 U2.1 | length 19.7
  Top Layer w0.25: U2.1 -32,-0.854 -31.854,-1 -26.5,-1 -26,-1.5 -25.964,-1.5 -18.383,-9.081 -18.383,-9.617 MODULE1.7
RX_5V: J4.1 U2.16 | length 23.9
  Top Layer w0.25: U2.16 -32,-15 -27.46,-19.54 J4.1
TX_3V3: MODULE1.6 U2.3 | length 20.4
  Top Layer w0.25: U2.3 -33.3,-1.2 -32.504,-1.996 -26.791,-1.996 -26.787,-2 -26.5,-2 -19.653,-8.847 -19.653,-9.363 MODULE1.6@-19.016,-10 ; MODULE1.6 MODULE1.6@-19.016,-10 ; MODULE1.6@-19,-10 MODULE1.6@-19.016,-10
TX_5V: J4.2 U2.14 | length 21.4
  Top Layer w0.25: U2.14 -33.3,-14.7 -30,-18 J4.2
VCC: CN1.1 LM1.1 | length 13.9
  Top Layer w1: CN1.1 -58,19 -57.4,18.4 LM1.1
pads on no net: J3.6 MODULE1.4 MODULE1.5 MODULE1.13 MODULE1.14 MODULE1.15 MODULE1.16 MODULE1.17 MODULE1.18 MODULE1.19 MODULE1.29 MODULE1.35 MODULE1.36 MODULE1.37 MODULE1.38 MODULE1.39 MODULE1.40 MODULE1.42 MODULE1.43 MODULE1.44 MODULE1.45 MODULE1.46 U2.7 U2.10

## Polygon pours and split planes (outlines as drawn)
GND on Bottom Layer "GND_L02_P003" (solid, pour order 3): -85.6,-39 18,-39 18,31 -85.6,31
+3V3 on Bottom Layer "+3V3_L02_P001" (solid, pour order 1): -46,1 -42,1 -42,-7 -46,-7
GND on Top Layer "GND_L01_P002" (solid, pour order 2): -85.6,-39 18,-39 18,31 -85.6,31
+3V3 on Top Layer "+3V3_L01_P000" (solid, pour order 0): -46,-7 -46,1 -42,1 -42,-7

## Silkscreen, mask and mechanical layers (free items; w line width, h text height)
Top Overlay:
  drawing of 156 lines, arcs and shapes, not listed
  text "GND" at -67.9,26.63 h2 r180
  text "VCC" at -62.4,26.343 h2 r180
  text "PGC" at -39.649,16.736 h2 r90
  text "GND" at -34.57,16.202 h2 r90
  text "+3V3" at -31.857,16.008 h2 r90
  text "PGCD" at -36.97,15.749 h2 r90
  text "RESET" at -29.07,14.6 h2 r90
  text "CURSO ALTIUM 2022" at -6.3,-21.836 h2
  text "PROYECTO FINAL" at -5.8,-23.926 h2
  text "POWER" at -13.77,-26.7 h2 r90
  text "RX" at -32.359,-27.6 h2 r90
  text "RX" at -21,-29.141 h2
  text "TX" at -18.8,-29.141 h2
  text "RST" at -36.839,-32 h2 r90
  text "RTS" at -34.739,-32 h2 r90
  text "CTS" at -32.039,-32 h2 r90
  text "TX" at -29.259,-32 h2 r90
  text "RX" at -27.059,-32 h2 r90
Mechanical 1:
  the board outline again, w1

## Text inside footprints (layer, text, board x,y; h text height)
CN1: Top Overlay "1" at -63.333,22.556 h1.1 r180; Top Overlay "2" at -68.159,22.556 h1.1 r180
LM1: Top Overlay "IN+" at -61.313,11.674 h2.54 r270; Top Overlay "IN-" at -72.313,11.674 h2.54 r270; Top Overlay "OUT+" at -61.343,-24.036 h2.54 r270; Top Overlay "OUT-" at -72.343,-24.036 h2.54 r270